# Altium PCB PC4-SODIMM_V200_RC_A1_20141015.PcbDoc (part 2 of 6)
Units mm, origin at the board's own origin, x right, y up, seen from the top; angles counter-clockwise.
Board outline 69.63 x 30.03 mm, 8 copper layers (TOP, SPLIT2, S3, VDD4, S5, S6, SPLIT7, BOTTOM), stack 1.2 mm thick; 198 components, 229 nets, 1319 pads, 781 vias.
Unrouted connection lines stored in the file: 1.
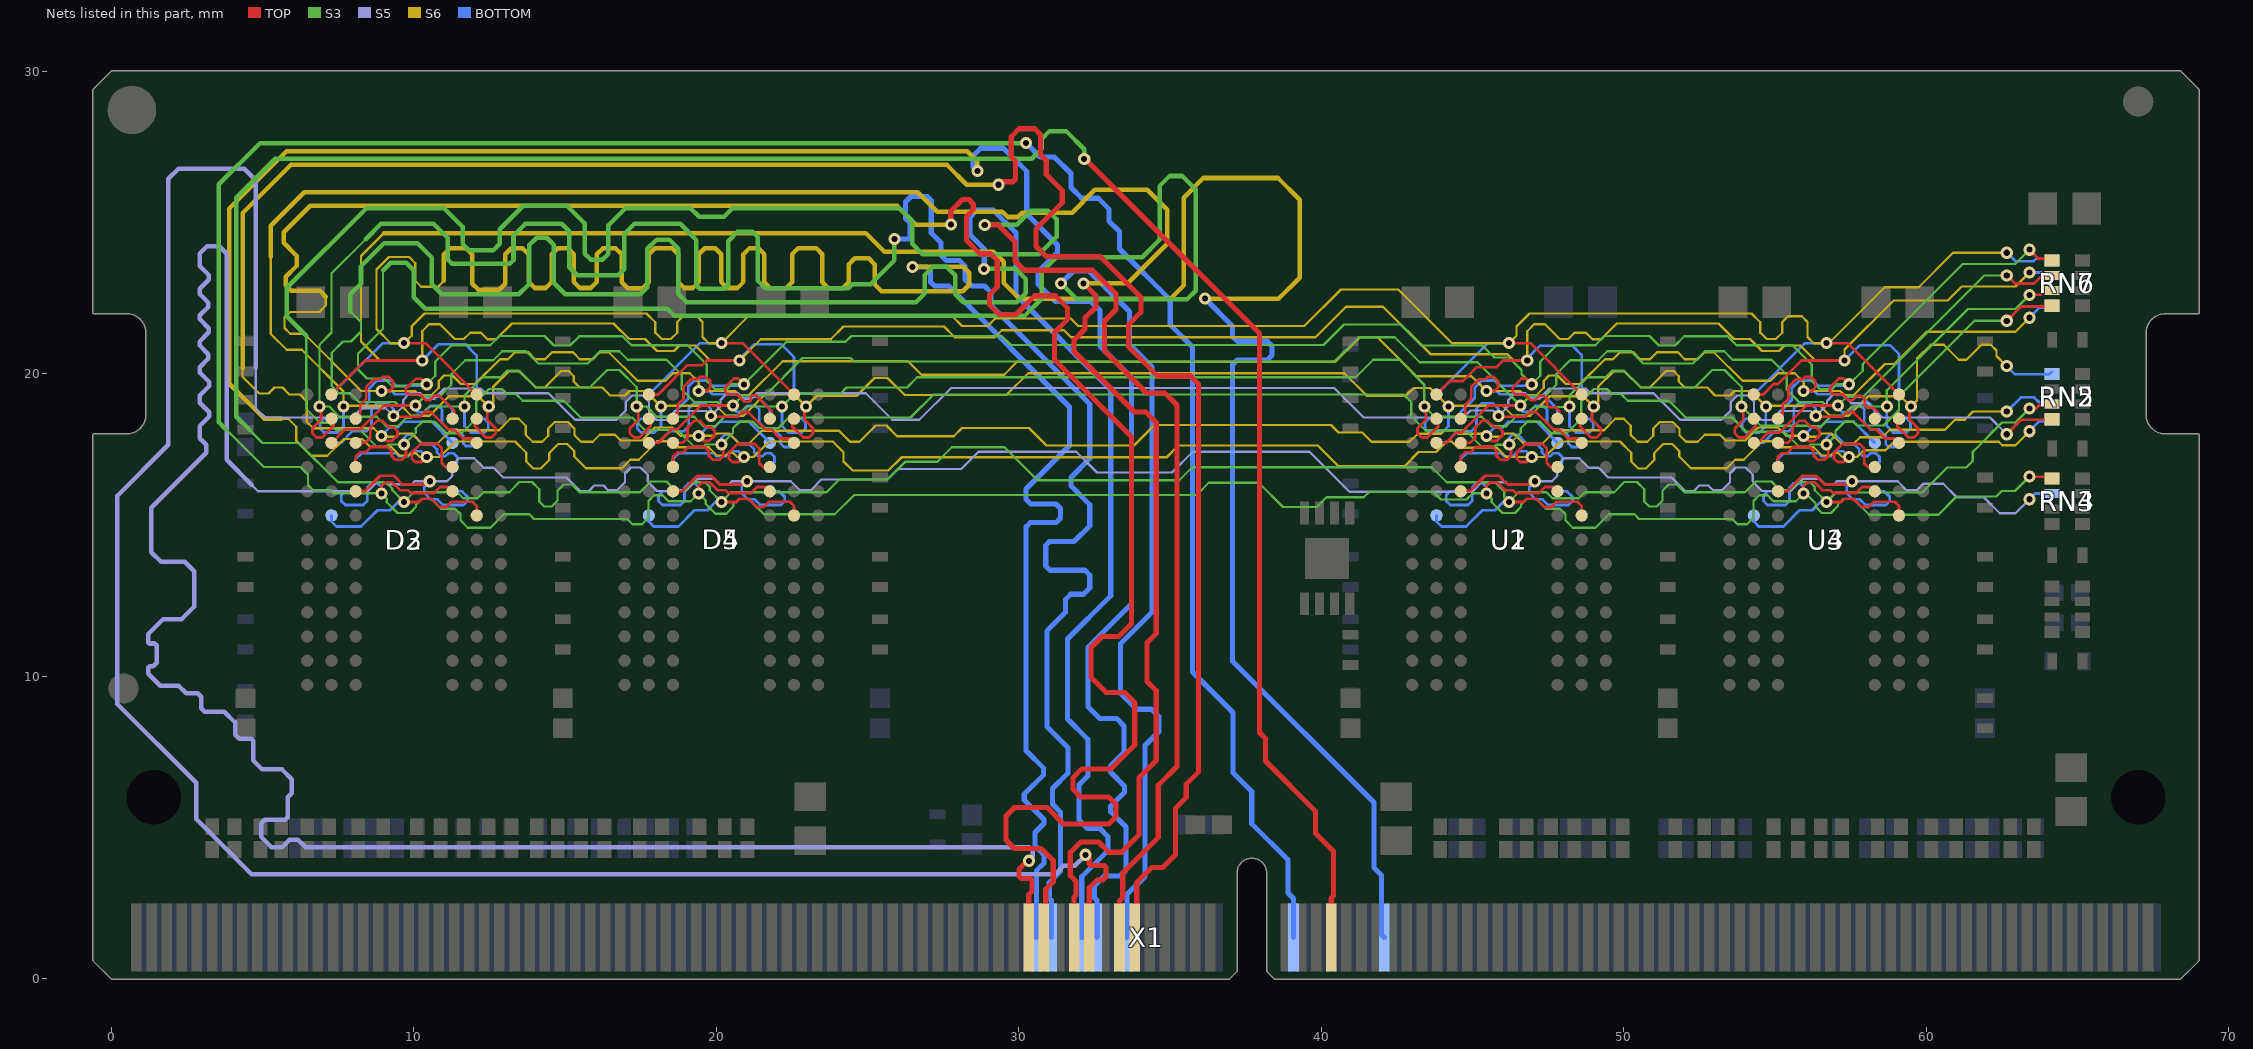
[diagram p8: the nets of this part, all layers, seen from the top]

## Via types
v1: diameter 0.4, hole 0.2, TOP to BOTTOM, tented both sides, 781 vias

## Nets (pads, with @x,y where several pads share a name; then routed paths per layer and width w, separated by ;. In a path a pad name is that pad's centre, name@x,y a point inside that pad or via, vN(x,y) a via of type N, cw(c..) or ccw(c..) an arc to the next point about the centre after c; other vN are vias at no path point) (continued)
A01: D2.L7 D3.L7 D4.L7 D5.L7 RN5.2 U1.L7 U2.L7 U3.L7 U4.L7 X1.133 | length 158.5
  TOP w0.09: D2.L7@8.073,17.717 8.388,17.717 8.553,17.882 8.553,18.225 8.772,18.444 8.962,18.444 9.17,18.237 9.322,18.237 9.453,18.106 9.453,17.969 9.265,17.78 9.093,17.78 v1(8.923,17.95) ; D4.L7@18.563,17.717 18.878,17.717 19.043,17.882 19.043,18.225 19.262,18.444 19.452,18.444 19.66,18.237 19.812,18.237 19.943,18.106 19.943,17.969 19.755,17.78 19.583,17.78 v1(19.413,17.95) ; U1.L7@44.603,17.717 44.918,17.717 45.083,17.882 45.083,18.225 45.302,18.444 45.492,18.444 45.7,18.237 45.852,18.237 45.983,18.106 45.983,17.969 45.795,17.78 45.623,17.78 v1(45.453,17.95) ; U3.L7@55.093,17.717 55.408,17.717 55.573,17.882 55.573,18.225 55.792,18.444 55.982,18.444 56.19,18.237 56.342,18.237 56.473,18.106 56.473,17.969 56.285,17.78 56.113,17.78 v1(55.943,17.95)
  TOP w0.17: v1(29.322,26.25) 29.42,26.348 29.793,26.348 29.888,26.443 29.888,27.026 29.744,27.17 29.744,27.84 30.005,28.101 30.525,28.101 30.712,27.914 30.712,27.242 30.901,27.053 30.901,26.591 31.43,26.062 31.43,25.656 30.568,24.794 30.568,24.209 30.761,24.016 30.899,23.878 32.689,23.878 32.718,23.849 34.029,22.538 34.029,22.037 33.618,21.626 33.618,20.894 34.575,19.937 35.656,19.937 35.93,19.663 35.93,6.831 35.53,6.431 35.53,5.993 35.176,5.639 35.176,4.104 34.751,3.679 34.391,3.679 33.894,3.182 33.894,1.434 X1.133@33.825,1.365
  S6 w0.075: 4.334,20.182 4.334,19.9 4.882,19.352 5.193,19.352 5.387,19.546 5.65,19.546 5.879,19.317 6.231,19.317 6.459,19.089 6.459,18.408 6.667,18.2 8.673,18.2 v1(8.923,17.95) 8.954,17.92 9.415,17.92 9.523,18.028 9.931,18.028 10.273,17.687 10.77,17.687 11.22,18.136 12.808,18.136 13.184,18.513 13.466,18.513 13.698,18.28 13.698,17.979 13.923,17.755 14.239,17.755 14.436,17.952 14.436,18.191 14.654,18.41 15.088,18.41 15.31,18.188 15.31,17.967 15.522,17.755 15.913,17.755 16.144,17.985 16.646,17.985 16.834,17.797 17.53,17.797 17.959,18.226 18.532,18.226 18.808,17.95 v1(19.413,17.95) 19.939,17.95 20.017,18.028 20.421,18.028 20.763,17.687 21.063,17.687 21.496,18.119 24.048,18.119 24.413,17.755 24.729,17.755 25.265,18.291 25.618,18.291 25.972,17.937 27.847,17.937 28.117,18.207 30.335,18.207 30.911,17.631 33.805,17.631 34.483,18.309 40.318,18.309 40.565,18.062 41.345,18.062 41.653,17.755 42.912,17.755 43.181,18.023 43.956,18.023 44.058,18.125 44.422,18.125 44.524,18.023 45.38,18.023 v1(45.453,17.95) 45.484,17.92 45.945,17.92 46.053,18.028 46.353,18.028 46.694,17.687 47.3,17.687 47.75,18.136 49.338,18.136 49.715,18.513 49.996,18.513 50.228,18.28 50.228,17.979 50.453,17.755 50.768,17.755 50.965,17.952 50.965,18.191 51.184,18.41 51.618,18.41 51.84,18.188 51.84,17.967 52.052,17.755 52.443,17.755 52.674,17.985 53.176,17.985 53.364,17.797 54.01,17.797 54.439,18.226 55.089,18.226 55.365,17.95 v1(55.943,17.95) 55.973,17.92 56.435,17.92 56.543,18.028 56.843,18.028 57.184,17.687 57.593,17.687 57.809,17.902 58.536,17.902 58.785,18.151 60.614,18.151 60.943,18.48 61.27,18.48 61.544,18.753 v1(62.656,18.753)
  S6 w0.15: 4.334,20.182 4.334,25.316 5.923,26.905 27.621,26.905 28.276,26.25 v1(29.322,26.25)
  BOTTOM w0.09: v1(8.923,17.95) 9.208,18.237 9.471,18.237 9.653,18.419 10.576,18.419 11.273,17.722 D3.L7@11.273,17.717 ; v1(19.413,17.95) 19.698,18.237 19.94,18.237 20.122,18.419 21.066,18.419 21.763,17.722 D5.L7@21.763,17.717 ; v1(45.453,17.95) 45.738,18.237 46.007,18.237 46.189,18.419 47.106,18.419 47.803,17.722 U2.L7@47.803,17.717 ; v1(55.943,17.95) 56.228,18.237 56.497,18.237 56.679,18.419 57.596,18.419 58.293,17.722 U4.L7@58.293,17.717 ; v1(62.656,18.753) 63.126,19.223 63.559,19.223 63.712,19.07 64.074,19.07 RN5.2@64.149,18.995
A02: D2.M3 D3.M3 D4.M3 D5.M3 RN7.1 U1.M3 U2.M3 U3.M3 U4.M3 X1.132 | length 160.5
  TOP w0.09: v1(10.423,19.654) 10.241,19.836 10.054,19.836 9.728,19.51 9.728,19.399 9.803,19.324 10.206,19.324 10.404,19.126 10.531,19.126 10.684,19.279 10.823,19.279 11.334,18.768 11.334,18.578 D2.M3@11.273,18.517 ; v1(20.913,19.654) 20.725,19.842 20.574,19.842 20.293,19.561 20.293,19.404 20.373,19.324 20.685,19.324 20.932,19.077 21.088,19.077 21.131,19.12 21.131,19.236 21.186,19.291 21.301,19.291 21.825,18.768 21.825,18.578 D4.M3@21.763,18.517 ; v1(46.953,19.654) 46.765,19.842 46.614,19.842 46.323,19.551 46.323,19.414 46.413,19.324 46.736,19.324 46.934,19.126 47.061,19.126 47.207,19.272 47.36,19.272 47.455,19.177 47.455,18.979 47.542,18.892 47.74,18.892 47.864,18.768 47.864,18.578 U1.M3@47.803,18.517 ; v1(57.443,19.654) 57.255,19.842 57.104,19.842 56.813,19.551 56.813,19.414 56.903,19.324 57.226,19.324 57.424,19.126 57.551,19.126 57.697,19.272 57.85,19.272 57.959,19.163 57.959,18.965 58.041,18.882 58.239,18.882 58.354,18.768 58.354,18.578 U3.M3@58.293,18.517 ; v1(63.406,24.103) 63.697,23.812 RN7.1@64.149,23.812
  S3 w0.075: 8.979,23.424 8.979,21.489 8.15,20.66 8.15,20.141 8.449,19.842 9.028,19.842 9.279,19.591 9.823,19.591 9.886,19.654 v1(10.423,19.654) 10.704,19.935 10.704,20.41 11.241,20.947 12.52,20.947 12.826,21.252 14.312,21.252 14.629,20.935 15.157,20.935 15.468,21.246 16.894,21.246 17.193,20.947 19.04,20.947 19.68,20.307 19.68,19.765 19.951,19.494 20.348,19.494 20.508,19.654 v1(20.913,19.654) 22.317,21.058 24.267,21.058 24.461,21.252 29.435,21.252 29.737,20.95 40.066,20.95 40.743,21.627 42.612,21.627 43.303,20.936 45.317,20.936 45.715,20.538 46.196,20.538 46.611,20.123 46.611,19.996 v1(46.953,19.654) 47.234,19.935 47.234,20.41 47.771,20.947 49.05,20.947 49.356,21.252 50.842,21.252 51.159,20.935 51.687,20.935 51.998,21.246 53.424,21.246 53.723,20.947 55.57,20.947 56.21,20.307 56.21,19.765 56.481,19.494 56.878,19.494 57.038,19.654 v1(57.443,19.654) 57.894,20.105 57.894,20.328 61.2,23.633 62.936,23.633 v1(63.406,24.103)
  S3 w0.15: 8.979,23.424 9.233,23.678 9.747,23.678 9.996,23.429 9.996,22.528 10.375,22.149 18.378,22.149 18.614,21.913 30.184,21.913 30.756,22.484 30.756,23.368 31.243,23.855 34.073,23.855 34.647,24.429 34.647,26.208 34.979,26.54 35.399,26.54 35.844,26.095 35.844,22.75 35.556,22.462 31.919,22.462 v1(31.39,22.991)
  BOTTOM w0.09: D3.M3@8.073,18.517 8.073,18.649 8.524,19.1 8.524,19.523 8.78,19.779 9.238,19.779 9.408,19.609 10.378,19.609 v1(10.423,19.654) ; D5.M3@18.563,18.517 18.563,18.684 19.068,19.189 19.068,19.577 19.27,19.779 19.679,19.779 19.849,19.609 20.868,19.609 v1(20.913,19.654) ; U2.M3@44.603,18.517 44.603,18.729 45.067,19.193 45.067,19.536 45.31,19.779 45.719,19.779 45.889,19.609 46.908,19.609 v1(46.953,19.654) ; U4.M3@55.093,18.517 55.093,18.681 55.549,19.137 55.549,19.528 55.8,19.779 56.25,19.779 56.42,19.609 57.398,19.609 v1(57.443,19.654)
  BOTTOM w0.17: v1(31.39,22.991) 31.8,23.401 32.31,23.401 33.653,22.058 33.653,20.972 34.394,20.231 34.394,12.116 33.355,11.077 33.355,9.44 33.883,8.912 34.38,8.912 34.626,8.666 34.626,8.173 34.166,7.713 34.166,3.384 33.575,2.793 X1.132@33.575,1.365
A03: D2.K7 D3.K7 D4.K7 D5.K7 RN7.4 U1.K7 U2.K7 U3.K7 U4.K7 X1.131 | length 159.3
  TOP w0.09: D2.K7@8.073,16.917 8.073,17.258 8.219,17.405 8.398,17.405 8.573,17.58 9.126,17.58 9.255,17.451 9.255,17.293 9.39,17.158 9.606,17.158 9.733,17.285 9.733,17.605 v1(9.673,17.665) ; D4.K7@18.563,16.917 18.563,17.258 18.709,17.405 18.888,17.405 19.063,17.58 19.616,17.58 19.745,17.451 19.745,17.293 19.88,17.158 20.096,17.158 20.223,17.285 20.223,17.605 v1(20.163,17.665) ; U1.K7@44.603,16.917 44.603,17.258 44.749,17.405 44.928,17.405 45.103,17.58 45.656,17.58 45.785,17.451 45.785,17.293 45.92,17.158 46.136,17.158 46.263,17.285 46.263,17.605 v1(46.208,17.659) ; U3.K7@55.093,16.917 55.093,17.258 55.207,17.372 55.385,17.372 55.593,17.58 56.146,17.58 56.275,17.451 56.275,17.293 56.41,17.158 56.626,17.158 56.753,17.285 56.753,17.605 v1(56.693,17.665) ; v1(62.656,21.753) 63.126,22.223 64.112,22.223 64.122,22.214 RN7.4@64.149,22.186
  TOP w0.17: v1(28.869,24.923) 29.317,24.923 29.872,24.368 29.872,23.733 30.182,23.423 32.432,23.423 33.206,22.649 33.206,22.13 32.825,21.749 32.825,20.76 34.218,19.367 34.823,19.367 35.222,18.968 35.222,7.019 34.603,6.4 34.603,4.675 33.43,3.502 33.43,2.68 33.325,2.575 X1.131@33.325,1.365
  S3 w0.075: 6.435,21.264 6.435,18.842 6.893,18.385 7.186,18.385 7.431,18.14 8.22,18.14 8.773,17.587 9.073,17.587 9.151,17.665 v1(9.673,17.665) 10.06,18.052 10.06,18.199 10.272,18.411 10.697,18.411 11.072,18.037 11.576,18.037 12.056,18.517 12.056,19.076 12.482,19.502 12.907,19.502 13.079,19.33 13.373,19.33 13.594,19.109 14.956,19.109 15.511,18.555 17.213,18.555 17.627,18.14 18.71,18.14 19.263,17.587 19.563,17.587 19.641,17.665 v1(20.163,17.665) 20.55,18.052 20.55,18.199 20.762,18.411 21.21,18.411 21.412,18.209 22.048,18.209 22.394,18.555 26.418,18.555 27.18,19.316 42.717,19.316 42.965,19.067 42.965,18.598 43.433,18.131 44.759,18.131 45.303,17.588 45.701,17.588 45.779,17.665 45.785,17.659 v1(46.208,17.659) 46.208,17.67 46.59,18.052 46.59,18.199 46.802,18.411 47.228,18.411 47.602,18.037 48.106,18.037 48.586,18.517 48.586,19.076 49.012,19.502 49.437,19.502 49.609,19.33 49.903,19.33 50.124,19.109 51.486,19.109 52.041,18.555 53.576,18.555 54.05,18.081 55.299,18.081 55.793,17.587 56.093,17.587 56.171,17.665 v1(56.693,17.665) 56.991,17.963 56.991,18.109 57.293,18.411 57.593,18.411 57.714,18.291 58.579,18.291 59.094,18.805 59.094,19.26 61.587,21.753 v1(62.656,21.753)
  S3 w0.15: 6.435,21.264 5.795,21.904 5.795,22.841 8.435,25.481 10.99,25.481 11.605,24.866 11.605,24.302 11.82,24.087 12.627,24.087 12.837,24.297 12.837,24.784 13.61,25.557 15.059,25.557 15.645,24.971 15.645,23.972 15.85,23.767 16.225,23.767 16.43,23.972 16.43,24.911 17,25.481 19.137,25.481 19.426,25.192 20.249,25.192 20.537,25.48 22.2,25.48 22.201,25.481 26.043,25.481 26.467,25.057 26.467,24.296 26.809,23.954 30.662,23.954 31.243,24.535 31.243,25.108 30.96,25.391 30.391,25.391 29.923,24.923 v1(28.869,24.923)
  BOTTOM w0.09: v1(9.673,17.665) 9.673,17.874 9.786,17.987 9.961,17.987 10.27,17.679 10.587,17.679 10.762,17.504 10.762,17.397 10.881,17.278 11.038,17.278 11.132,17.372 11.315,17.372 11.428,17.259 11.428,17.072 D3.K7@11.273,16.917 ; v1(20.163,17.665) 20.163,17.874 20.276,17.987 20.451,17.987 20.76,17.679 21.077,17.679 21.252,17.504 21.252,17.397 21.371,17.278 21.528,17.278 21.622,17.372 21.805,17.372 21.918,17.259 21.918,17.072 D5.K7@21.763,16.917 ; v1(46.208,17.659) 46.208,17.869 46.203,17.874 46.316,17.987 46.491,17.987 46.8,17.679 47.117,17.679 47.292,17.504 47.292,17.397 47.411,17.278 47.568,17.278 47.662,17.372 47.845,17.372 47.958,17.259 47.958,17.072 U2.K7@47.803,16.917 ; v1(56.693,17.665) 56.693,17.874 56.806,17.987 56.981,17.987 57.29,17.679 57.607,17.679 57.782,17.504 57.782,17.397 57.901,17.278 58.058,17.278 58.152,17.372 58.335,17.372 58.448,17.259 58.448,17.072 U4.K7@58.293,16.917
A04: D2.K3 D3.K3 D4.K3 D5.K3 RN5.1 U1.K3 U2.K3 U3.K3 U4.K3 X1.128 | length 157.7
  TOP w0.09: v1(10.423,17.249) 10.256,17.082 10.038,17.082 9.923,17.197 9.923,17.392 10.21,17.679 10.779,17.679 10.921,17.537 10.921,17.045 11.049,16.917 D2.K3@11.273,16.917 ; v1(20.913,17.249) 20.746,17.082 20.528,17.082 20.413,17.197 20.413,17.392 20.7,17.679 21.269,17.679 21.411,17.537 21.411,17.045 21.539,16.917 D4.K3@21.763,16.917 ; v1(46.953,17.249) 46.786,17.082 46.568,17.082 46.453,17.197 46.453,17.392 46.74,17.679 47.309,17.679 47.451,17.537 47.451,17.045 47.579,16.917 U1.K3@47.803,16.917 ; v1(57.443,17.249) 57.276,17.082 57.058,17.082 56.943,17.197 56.943,17.392 57.23,17.679 57.799,17.679 57.941,17.537 57.941,17.045 58.069,16.917 U3.K3@58.293,16.917
  S6 w0.075: 5.607,18.517 5.842,18.517 6.111,18.248 6.111,17.792 6.614,17.289 7.133,17.289 7.69,17.846 8.29,17.846 8.548,17.588 9.238,17.588 9.523,17.303 9.823,17.303 9.895,17.374 10.064,17.374 10.189,17.249 v1(10.423,17.249) 10.852,17.249 11.369,17.766 13.337,17.766 13.711,17.392 13.711,17.106 13.943,16.873 14.195,16.873 14.472,17.15 14.472,17.384 14.768,17.679 15.068,17.679 15.301,17.447 15.301,17.266 15.688,16.88 16.875,16.88 17.153,17.158 17.432,17.158 18.046,17.772 18.395,17.772 18.597,17.57 19.745,17.57 20.013,17.303 20.309,17.303 20.386,17.379 20.555,17.379 20.685,17.249 v1(20.913,17.249) 21.225,17.249 21.742,17.766 23.844,17.766 24.201,17.41 24.201,17.106 24.504,16.802 25.683,16.802 26.119,17.238 34.876,17.238 35.267,17.629 39.878,17.629 40.553,16.954 42.753,16.954 43.212,17.413 43.786,17.413 44.134,17.761 44.311,17.761 44.518,17.554 45.801,17.554 46.103,17.253 46.949,17.253 v1(46.953,17.249) 47.382,17.249 47.899,17.766 49.867,17.766 50.24,17.392 50.24,17.106 50.473,16.873 50.725,16.873 51.002,17.15 51.002,17.384 51.298,17.679 51.598,17.679 51.831,17.447 51.831,17.266 52.218,16.88 53.405,16.88 53.683,17.158 53.962,17.158 54.576,17.772 54.925,17.772 55.127,17.57 56.275,17.57 56.543,17.303 56.839,17.303 56.916,17.379 57.085,17.379 57.215,17.249 v1(57.443,17.249) 57.705,17.249 57.929,17.473 58.649,17.473 58.931,17.755 62.392,17.755 62.506,17.641 62.943,17.641 v1(63.406,18.103)
  S6 w0.15: 5.607,18.517 5.057,18.517 3.897,19.677 3.897,25.465 5.787,27.355 28.291,27.355 28.623,27.023 v1(28.623,26.707)
  BOTTOM w0.09: D3.K3@8.073,16.917 8.073,17.186 8.257,17.37 9.422,17.37 9.517,17.275 9.806,17.275 9.974,17.443 10.229,17.443 v1(10.423,17.249) ; D5.K3@18.563,16.917 18.563,17.186 18.747,17.37 19.912,17.37 20.007,17.275 20.296,17.275 20.464,17.443 20.719,17.443 v1(20.913,17.249) ; U2.K3@44.603,16.917 44.603,17.186 44.787,17.37 45.952,17.37 46.047,17.275 46.336,17.275 46.504,17.443 46.759,17.443 v1(46.953,17.249) ; U4.K3@55.093,16.917 55.093,17.186 55.277,17.37 56.442,17.37 56.537,17.275 56.826,17.275 56.994,17.443 57.249,17.443 v1(57.443,17.249) ; v1(63.406,18.103) 63.739,18.436 RN5.1@64.149,18.436
  BOTTOM w0.17: v1(28.623,26.707) 28.484,26.846 28.484,27.208 28.735,27.459 29.491,27.459 30.256,26.694 30.256,25.282 31.275,24.263 31.275,24.02 30.632,23.377 30.632,22.964 31.206,22.39 32.383,22.39 32.677,22.096 32.677,20.92 33.72,19.877 33.72,12.399 32.279,10.958 32.279,8.997 32.665,8.611 33.221,8.611 33.471,8.361 33.471,7.485 33.022,7.036 33.022,6.833 33.489,6.366 33.489,6.169 33.032,5.712 33.032,5.519 33.535,5.016 33.535,3.595 33.341,3.401 32.821,3.401 32.497,3.077 32.497,2.675 32.575,2.597 X1.128@32.575,1.365
A05: D2.L8 D3.L8 D4.L8 D5.L8 RN7.2 U1.L8 U2.L8 U3.L8 U4.L8 X1.126 | length 160.9
  TOP w0.09: D2.L8@7.273,17.717 7.728,18.172 8.231,18.172 9.013,18.954 v1(10.053,18.954) ; D4.L8@17.763,17.717 18.075,17.717 18.53,18.172 18.706,18.172 19.486,18.952 20.541,18.952 v1(20.543,18.954) ; U1.L8@43.803,17.717 44.115,17.717 44.46,18.062 44.636,18.062 45.528,18.954 v1(46.583,18.954) ; U3.L8@54.293,17.717 54.427,17.717 54.772,18.062 55.141,18.062 56.033,18.954 v1(57.073,18.954) ; v1(62.656,23.253) 62.926,22.983 63.559,22.983 63.757,23.181 64.077,23.181 RN7.2@64.149,23.253
  S3 w0.075: 7.899,22.061 8.249,21.711 8.249,21.4 7.92,21.071 7.656,21.071 7.28,20.695 7.28,19.596 7.518,19.358 7.899,19.358 8.186,19.071 9.372,19.071 9.489,18.954 v1(10.053,18.954) 10.383,19.284 10.88,19.284 11.234,19.638 11.234,19.99 11.691,20.447 12.624,20.447 12.922,20.745 13.702,20.745 14.106,20.341 15.746,20.341 16.15,20.745 16.787,20.745 17.063,20.469 18.351,20.469 18.851,19.969 18.851,19.482 19.262,19.072 20.031,19.072 20.148,18.954 v1(20.543,18.954) 20.873,19.284 21.609,19.284 22.845,20.52 24.435,20.52 24.544,20.411 40.434,20.411 41.233,21.211 42.42,21.211 43.25,20.381 45.156,20.381 v1(46.583,18.954) 46.913,19.284 47.41,19.284 47.764,19.638 47.764,19.99 48.221,20.447 49.154,20.447 49.452,20.745 50.232,20.745 50.636,20.341 52.276,20.341 52.68,20.745 53.317,20.745 53.593,20.469 54.881,20.469 55.381,19.969 55.381,19.482 55.791,19.072 56.56,19.072 56.678,18.954 v1(57.073,18.954) 57.379,19.26 57.918,19.26 61.911,23.253 v1(62.656,23.253)
  S3 w0.15: 7.899,22.061 7.899,22.631 8.249,22.981 8.249,23.556 9.016,24.323 10.109,24.323 10.588,23.844 10.588,22.956 10.919,22.625 13.467,22.625 13.81,22.968 13.81,24.261 14.053,24.504 14.384,24.504 14.617,24.271 14.617,23.012 15.004,22.625 17.479,22.625 17.712,22.858 17.712,24.13 18.022,24.44 18.442,24.44 18.739,24.143 18.739,22.65 19.022,22.367 26.594,22.367 26.885,22.658 26.885,23.267 27.152,23.534 27.617,23.534 27.893,23.258 27.893,22.628 28.159,22.362 29.927,22.362 30.226,22.661 30.226,23.135 29.893,23.468 v1(28.851,23.468)
  BOTTOM w0.09: v1(10.053,18.954) 10.053,18.805 10.129,18.729 10.335,18.729 10.549,18.943 10.806,18.943 10.928,18.821 10.928,18.374 11.13,18.172 11.409,18.172 11.631,17.95 11.631,17.696 11.712,17.615 11.971,17.615 D3.L8@12.073,17.717 ; v1(20.543,18.954) 20.543,18.861 20.658,18.746 20.86,18.746 20.978,18.864 20.978,18.896 21.025,18.943 21.293,18.943 21.418,18.818 21.418,18.374 21.62,18.172 21.899,18.172 22.121,17.95 22.121,17.696 22.237,17.58 22.426,17.58 D5.L8@22.563,17.717 ; v1(46.583,18.954) 46.583,18.825 46.659,18.749 46.885,18.749 47.079,18.943 47.333,18.943 47.458,18.818 47.458,18.374 47.66,18.172 47.939,18.172 48.161,17.95 48.161,17.696 48.277,17.58 48.466,17.58 U2.L8@48.603,17.717 ; v1(57.073,18.954) 57.073,18.875 57.23,18.718 57.401,18.718 57.625,18.942 57.824,18.942 57.948,18.818 57.948,18.374 58.15,18.172 58.422,18.172 58.651,17.943 58.651,17.684 58.755,17.58 58.956,17.58 U4.L8@59.093,17.717
  BOTTOM w0.17: v1(28.851,23.468) 28.851,24.124 28.378,24.597 28.378,25.188 28.601,25.411 29.15,25.411 29.899,24.662 29.899,22.603 33.033,19.469 33.033,12.662 31.608,11.237 31.608,8.591 32.277,7.922 32.277,6.703 31.988,6.414 31.988,5.246 32.264,4.97 32.677,4.97 32.938,4.709 32.938,4.237 32.075,3.374 X1.126@32.075,1.365
A06: D2.L2 D3.L2 D4.L2 D5.L2 RN2.4 U1.L2 U2.L2 U3.L2 U4.L2 X1.127 | length 161.2
  TOP w0.09: v1(9.323,18.607) 9.346,18.584 10.207,18.584 10.358,18.735 10.558,18.735 11.121,18.172 11.306,18.172 11.618,17.86 11.93,17.86 D2.L2@12.073,17.717 ; v1(19.813,18.607) 19.836,18.584 20.697,18.584 20.848,18.735 21.048,18.735 21.611,18.172 21.796,18.172 22.108,17.86 22.42,17.86 D4.L2@22.563,17.717 ; v1(45.853,18.607) 45.876,18.584 46.737,18.584 46.888,18.735 47.088,18.735 47.651,18.172 47.836,18.172 48.148,17.86 48.46,17.86 U1.L2@48.603,17.717 ; v1(56.343,18.607) 56.366,18.584 57.227,18.584 57.378,18.735 57.578,18.735 58.141,18.172 58.326,18.172 58.638,17.86 58.95,17.86 U3.L2@59.093,17.717 ; v1(62.656,18.003) 63.136,18.483 RN2.4@64.102,18.483 ; RN2.4@64.149,18.436 RN2.4@64.102,18.483 ; RN2.4@64.157,18.499 64.141,18.483 RN2.4@64.102,18.483
  TOP w0.17: v1(32.2,4.1) 32.325,3.975 32.325,3.796 32.381,3.74 32.825,3.74 32.882,3.683 32.882,3.38 32.774,3.272 32.587,3.272 32.325,3.01 X1.127@32.325,1.365
  S5 w0.075: 4.771,20.207 4.771,18.856 5.073,18.555 7.972,18.555 8.28,18.862 9.068,18.862 v1(9.323,18.607) 9.646,18.93 9.646,19.137 9.864,19.355 10.209,19.355 10.395,19.17 10.662,19.17 11.005,19.513 12.205,19.513 12.364,19.355 14.447,19.355 15.322,18.48 16.693,18.48 17,18.787 17,19.067 17.215,19.282 17.565,19.282 17.767,19.08 17.767,18.721 18.015,18.473 18.338,18.473 18.635,18.77 19.65,18.77 v1(19.813,18.607) 20.136,18.93 20.136,19.137 20.354,19.355 20.699,19.355 20.884,19.17 21.152,19.17 21.337,19.355 24.937,19.355 25.812,18.48 26.708,18.48 27.758,19.53 40.424,19.53 41.4,18.555 44.689,18.555 44.926,18.791 45.669,18.791 v1(45.853,18.607) 46.176,18.93 46.176,19.137 46.394,19.355 46.74,19.355 46.924,19.17 47.192,19.17 47.535,19.513 48.735,19.513 48.894,19.355 50.977,19.355 51.852,18.48 53.223,18.48 53.53,18.787 53.53,19.067 53.745,19.282 54.095,19.282 54.297,19.08 54.297,18.721 54.545,18.473 54.868,18.473 55.165,18.77 56.18,18.77 v1(56.343,18.607) 56.711,18.975 56.711,19.105 56.923,19.317 57.223,19.317 57.514,19.026 58.071,19.026 58.543,18.555 62.105,18.555 v1(62.656,18.003)
  S5 w0.15: 4.771,20.207 4.771,26.398 4.384,26.785 2.214,26.785 1.881,26.452 1.881,17.652 0.191,15.962 0.191,9.085 2.8,6.476 2.8,5.282 4.63,3.452 31.192,3.452 31.473,3.733 31.848,3.733 32.2,4.085 v1(32.2,4.1)
  BOTTOM w0.09: D3.L2@7.273,17.717 7.585,17.717 7.974,18.106 8.432,18.106 8.596,18.27 8.596,18.852 8.775,19.031 9.126,19.031 9.323,18.834 v1(9.323,18.607) ; D5.L2@17.763,17.717 18.075,17.717 18.464,18.106 18.922,18.106 19.086,18.27 19.086,18.852 19.265,19.031 19.616,19.031 19.813,18.834 v1(19.813,18.607) ; U2.L2@43.803,17.717 44.115,17.717 44.504,18.106 44.962,18.106 45.126,18.27 45.126,18.852 45.305,19.031 45.656,19.031 45.853,18.834 v1(45.853,18.607) ; U4.L2@54.293,17.717 54.605,17.717 54.994,18.106 55.452,18.106 55.616,18.27 55.616,18.852 55.795,19.031 56.146,19.031 56.343,18.834 v1(56.343,18.607)